# Altium PCB zynqCoreboard_PCB.PcbDoc
Units mm, origin at the board's own origin, x right, y up, seen from the top; angles counter-clockwise.
Board outline 60 x 45 mm, 2 copper layers (Top Layer, Bottom Layer), stack 0.325 mm thick; 320 components, 301 nets, 1528 pads, 0 vias.
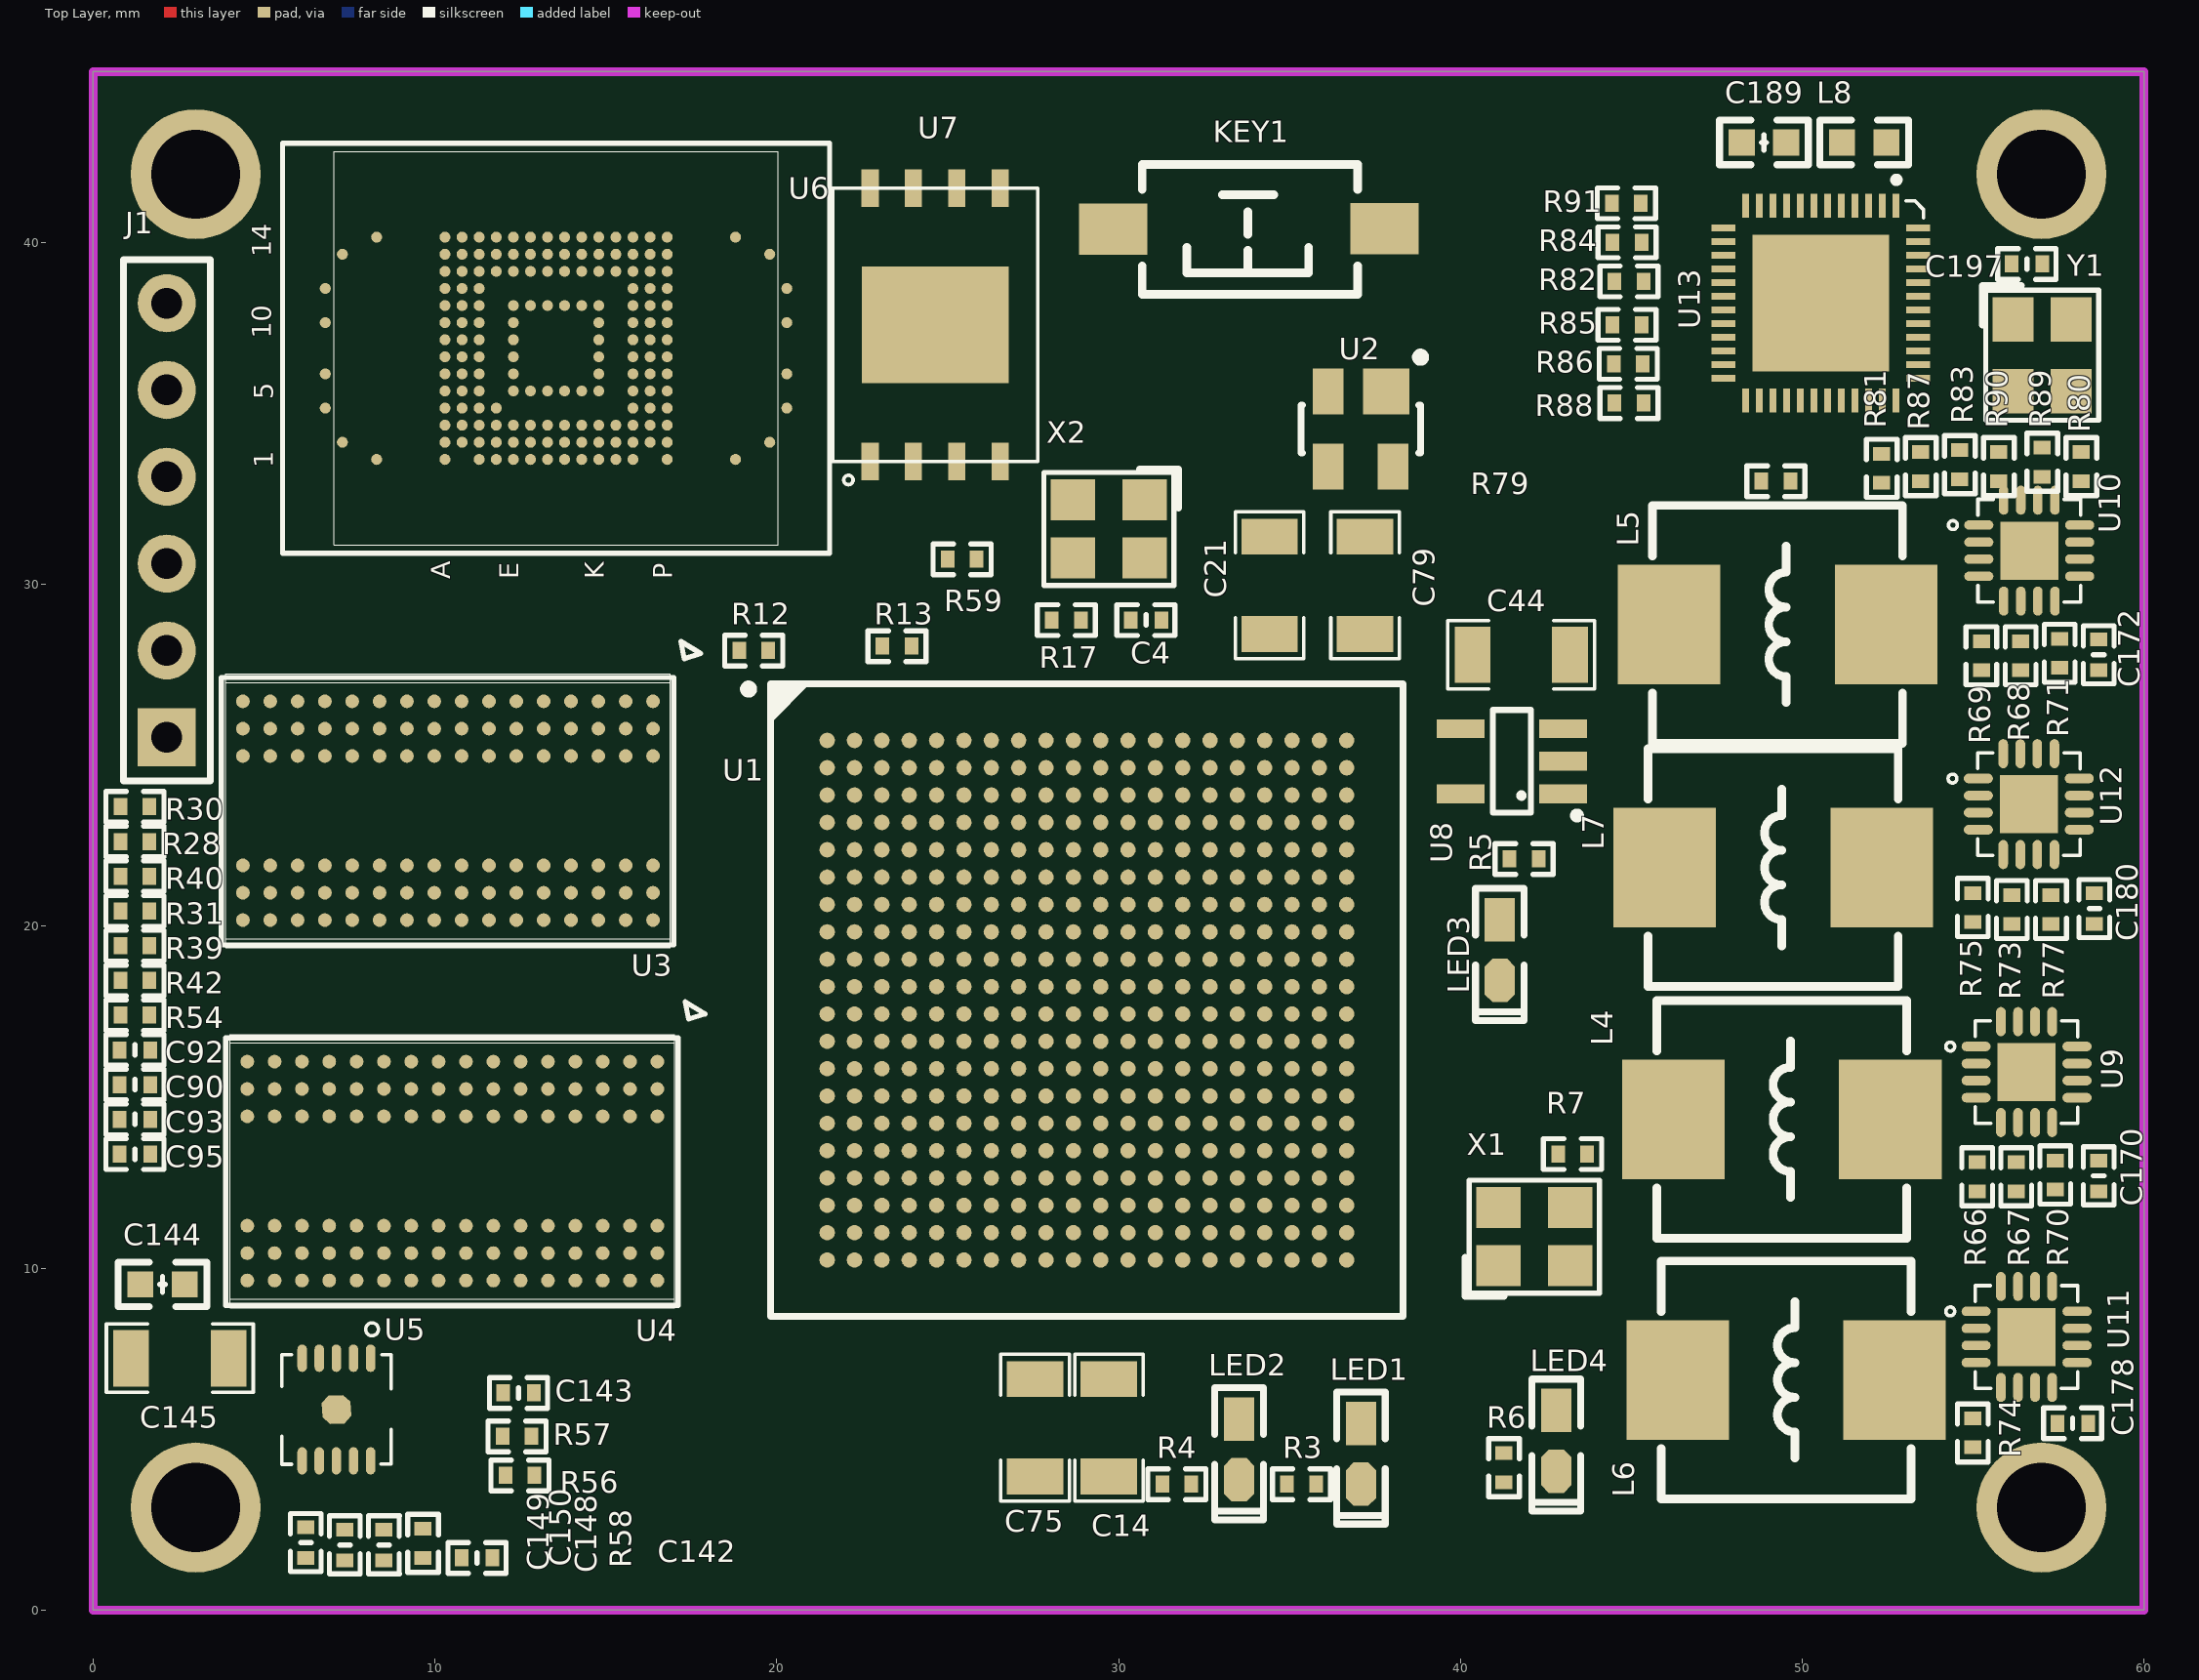
[diagram p0: Top Layer view]
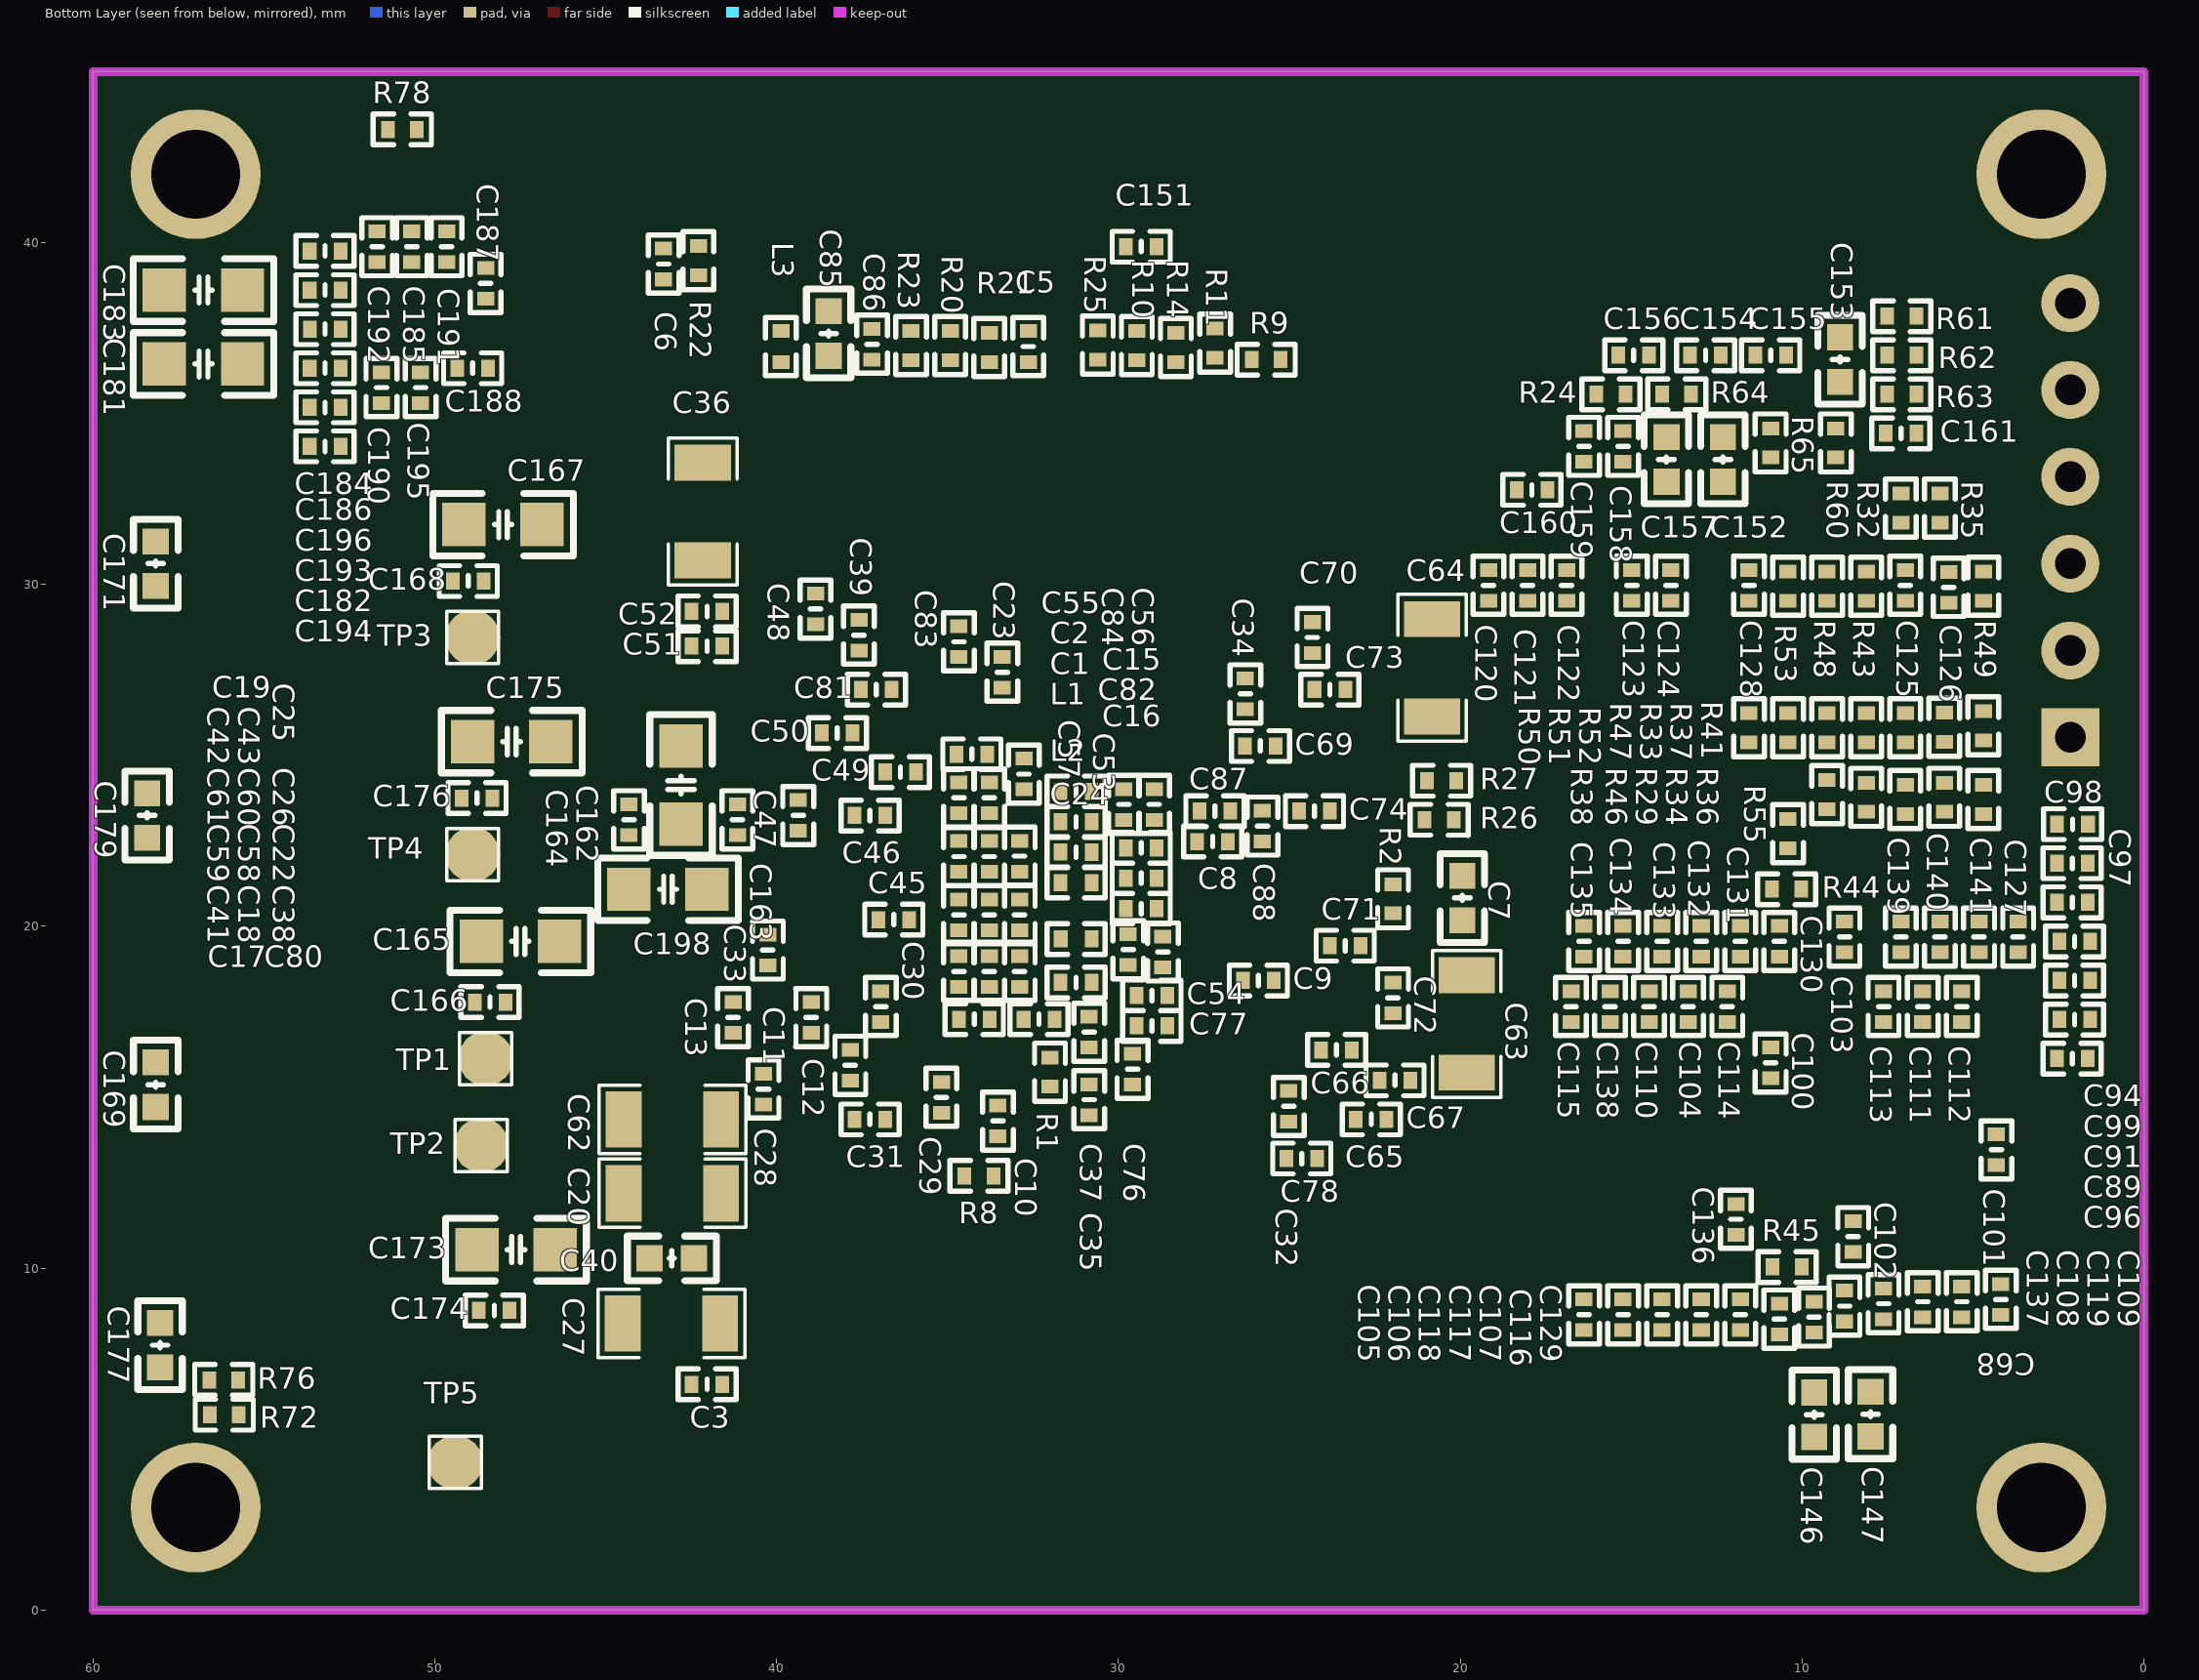
[diagram p1: Bottom Layer view, seen from below]

## Layer stack, top to bottom
Top Solder: solder mask 0.0102, Solder Resist, Dk 3.5
Top Layer: signal copper 0.0356
Dielectric 1: core 0.254, FR-4, Dk 4.2
Bottom Layer: signal copper 0.0356
Solder Side: solder mask 0.0102, Solder Resist, Dk 3.5

## Board outline
0,0 60,0 60,45 0,45

## Design rules (kind name [scope] priority, off if disabled: settings)
Clearance [All] p1: gap=0.102 ignorepadtopadclearanceinfootprint=FALSE except(0: Arc-Hole Track-Hole SMDPad-Hole THPad-Hole Via-Hole Fill-Hole Poly-Hole Region-Hole Text-Hole; 0.254: Text-Text)
PlaneConnect [All] p1: planeconnectstyle=Direct reliefexpansion=0.508 reliefentries=4 reliefconductorwidth=0.254 reliefairgap=0.254
PolygonConnect [All] p1: connectstyle=Direct reliefconductorwidth=0.254 reliefentries=4 polygonreliefangle="90 Angle" airgapwidth=0.254
RoutingVias [All] p1: holewidth=0.711 width=1.27 viastyle="Through Hole" minholewidth=0.711 minwidth=1.27 maxholewidth=0.711 maxwidth=1.27
SolderMaskExpansion [All] p1: expansion=0.102
Width [All] p1: maxlimit=0.254 minlimit=0.254 preferedwidth=0.254
29 further rules are at their usual default settings.

## Classes and differential pairs
component class ZynqCoreBoard2: C89 C90 C91 C92 C93 C94 C95 C96 C97 C98 C99 C100 C101 C102 C103 C104 C105 C106 C107 C108 C109 C110 C111 C112 C113 C114 C115 C116 C117 C118 C119 C120 C121 C122 C123 C124 C125 C126 C127 C128 C129 C130 C131 C132 C133 C134 C135 C136 C137 C138 C139 C140 C141 C142 C143 C144 C145 C146 C147 C148 C149 C150 C151 C152 C153 C154 C155 C156 C157 C158 C159 C160 C161 C162 C163 C164 C165 C166 C167 C168 C169 C170 C171 C172 C173 C174 C175 C176 C177 C178 C179 C180 C181 C182 C183 C184 C185 C186 C187 C188 C189 C190 C191 C192 C193 C194 C195 C196 C197 C198 L4 L5 L6 L7 L8 R28 R29 R30 R31 R32 R33 R34 R35 R36 R37 R38 R39 R40 R41 R42 R43 R44 R45 R46 R47 R48 R49 R50 R51 R52 R53 R54 R55 R56 R57 R58 R59 R60 R61 R62 R63 R64 R65 R66 R67 R68 R69 R70 R71 R72 R73 R74 R75 R76 R77 R78 R79 R80 R81 R82 R83 R84 R85 R86 R87 R88 R89 R90 R91 TP1 TP2 TP3 TP4 TP5 U3 U4 U5 U6 U7 U8 U9 U10 U11 U12 U13 Y1
component class ZynqCoreBoard1: C1 C2 C3 C4 C5 C6 C7 C8 C9 C10 C11 C12 C13 C14 C15 C16 C17 C18 C19 C20 C21 C22 C23 C24 C25 C26 C27 C28 C29 C30 C31 C32 C33 C34 C35 C36 C37 C38 C39 C40 C41 C42 C43 C44 C45 C46 C47 C48 C49 C50 C51 C52 C53 C54 C55 C56 C57 C58 C59 C60 C61 C62 C63 C64 C65 C66 C67 C68 C69 C70 C71 C72 C73 C74 C75 C76 C77 C78 C79 C80 C81 C82 C83 C84 C85 C86 C87 C88 J1 KEY1 L1 L2 L3 LED1 LED2 LED3 LED4 R1 R2 R3 R4 R5 R6 R7 R8 R9 R10 R11 R12 R13 R14 R17 R20 R21 R22 R23 R24 R25 R26 R27 U1 U2 X1 X2

## Components (designator, comment, footprint, x,y, rotation, side; value= is the part's Value field where it differs from the comment)
C1 "470nF" C0402 31.242,22.167 r180 bottom
C2 "0.1uF" C0402 31.242,23.056 r180 bottom
C3 "0.1uF" C0402 42.037,6.604 r180 bottom
C4 "0.1uF" C0402 30.803,28.956 r0 top
C5 "0.01uF" C0402 32.639,36.957 r270 bottom
C6 "0.1uF" C0402 43.307,39.37 r90 bottom
C7 "47uF" C0603 19.939,20.828 r270 bottom
C8 "4.7uF" C0402 27.247,22.479 r180 bottom
C9 "4.7uF" C0402 25.908,18.415 r180 bottom
C10 "470nF" C0402 33.528,14.304 r270 bottom
C11 "470nF" C0402 38.989,17.33 r270 bottom
C12 "470nF" C0402 37.846,15.933 r90 bottom
C13 "470nF" C0402 41.275,17.33 r90 bottom
C14 "100uF" C1206 29.718,5.334 r270 top
C15 "470nF" C0402 29.337,22.294 r180 bottom
C16 "470nF" C0402 29.337,20.516 r180 bottom
C17 "470nF" C0402 34.221,17.283 r0 bottom
C18 "4.7uF" C0402 33.782,18.68 r90 bottom
C19 "4.7uF" C0402 34.29,25.03 r180 bottom
C20 "100uF" C1206 43.053,12.192 r180 bottom
C21 "100uF" C1206 34.417,29.972 r90 top
C22 "4.7uF" C0402 32.893,20.331 r90 bottom
C23 "4.7uF" C0402 33.401,27.432 r90 bottom
C24 "470nF" C0402 31.242,18.357 r180 bottom
C25 "470nF" C0402 32.766,24.453 r90 bottom
C26 "470nF" C0402 32.893,22.051 r90 bottom
C27 "100uF" C1206 43.081,8.382 r180 bottom
C28 "4.7uF" C0402 40.386,15.24 r270 bottom
C29 "4.7uF" C0402 35.179,14.997 r270 bottom
C30 "4.7uF" C0402 36.957,17.653 r270 bottom
C31 "470nF" C0402 37.269,14.351 r0 bottom
C32 "470nF" C0402 25.019,14.732 r270 bottom
C33 "470nF" C0402 40.259,19.304 r90 bottom
C34 "470nF" C0402 26.289,26.797 r90 bottom
C35 "470nF" C0402 30.861,14.928 r90 bottom
C36 "100uF" C1206 42.164,32.131 r90 bottom
C37 "4.7uF" C0402 30.861,16.902 r90 bottom
C38 "470nF" C0402 32.893,18.68 r90 bottom
C39 "470nF" C0402 37.592,28.517 r270 bottom
C40 "100uF" C0603 43.068,10.287 r180 bottom
C41 "4.7uF" C0402 34.671,18.68 r90 bottom
C42 "470nF" C0402 34.671,23.76 r90 bottom
C43 "470nF" C0402 33.782,23.76 r90 bottom
C44 "100uF" C1206 41.783,27.94 r0 top
C45 "4.7uF" C0402 36.576,20.193 r0 bottom
C46 "4.7uF" C0402 37.269,23.241 r0 bottom
C47 "4.7uF" C0402 39.37,23.241 r270 bottom
C48 "470nF" C0402 38.862,29.279 r90 bottom
C49 "470nF" C0402 36.38,24.511 r180 bottom
C50 "470nF" C0402 38.227,25.654 r180 bottom
C51 "470nF" C0402 42.037,28.194 r0 bottom
C52 "470nF" C0402 42.037,29.21 r0 bottom
C53 "470nF" C0402 28.702,19.246 r90 bottom
C54 "470nF" C0402 29.025,17.976 r180 bottom
C55 "470nF" C0402 31.242,23.945 r180 bottom
C56 "470nF" C0402 28.956,23.564 r270 bottom
C57 "470nF" C0402 29.718,19.315 r90 bottom
C58 "4.7uF" C0402 33.782,20.331 r90 bottom
C59 "4.7uF" C0402 34.671,20.331 r90 bottom
C60 "4.7uF" C0402 33.782,22.04 r90 bottom
C61 "4.7uF" C0402 34.671,22.04 r90 bottom
C62 "100uF" C1206 43.053,14.351 r0 bottom
C63 "100uF" C1206 19.812,17.145 r90 bottom
C64 "100uF" C1206 20.828,27.559 r90 bottom
C65 "4.7uF" C0402 22.606,14.351 r180 bottom
C66 "4.7uF" C0402 23.622,16.383 r180 bottom
C67 "4.7uF" C0402 21.913,15.494 r180 bottom
C68 "470nF" C0402 8.763,8.89 r90 bottom
C69 "470nF" C0402 25.85,25.273 r180 bottom
C70 "470nF" C0402 24.326,28.448 r270 bottom
C71 "470nF" C0402 23.368,19.431 r180 bottom
C72 "470nF" C0402 21.971,17.907 r90 bottom
C73 "470nF" C0402 23.818,26.924 r0 bottom
C74 "470nF" C0402 24.268,23.368 r0 bottom
C75 "100uF" C1206 27.559,5.334 r270 top
C76 "4.7uF" C0402 29.591,15.817 r270 bottom
C77 "470nF" C0402 29.025,17.087 r180 bottom
C78 "470nF" C0402 24.638,13.208 r0 bottom
C79 "100uF" C1206 37.211,29.972 r90 top
C80 "4.7uF" C0402 32.327,17.283 r180 bottom
C81 "4.7uF" C0402 37.084,26.924 r180 bottom
C82 "470nF" C0402 29.337,21.405 r180 bottom
C83 "470nF" C0402 34.671,28.321 r270 bottom
C84 "470nF" C0402 29.845,23.564 r270 bottom
C85 "10uF" C0603 38.481,37.338 r90 bottom
C86 "470nF" C0402 37.211,37.026 r90 bottom
C87 "0.01uF" C0402 27.178,23.368 r180 bottom
C88 "0.1uF" C0402 25.792,22.929 r90 bottom
C89 "4.7uF" C0402 2.032,17.272 r180 bottom
C90 "4.7uF" C0402 1.227,15.367 r180 top
C91 "4.7uF" C0402 2.032,18.415 r180 bottom
C92 "0.1uF" C0402 1.227,16.383 r180 top
C93 "0.1uF" C0402 1.227,14.351 r180 top
C94 "0.1uF" C0402 2.101,20.701 r180 bottom
C95 "0.1uF" C0402 1.227,13.335 r180 top
C96 "0.1uF" C0402 2.101,16.129 r180 bottom
C97 "0.1uF" C0402 2.101,21.844 r180 bottom
C98 "0.1uF" C0402 2.09,22.987 r180 bottom
C99 "0.1uF" C0402 2.032,19.558 r180 bottom
C100 "10nF" C0402 10.922,16.002 r270 bottom
C101 "10nF" C0402 4.318,13.462 r270 bottom
C102 "10nF" C0402 8.509,10.922 r90 bottom
C103 "10nF" C0402 8.763,19.685 r90 bottom
C104 "47nF" C0402 13.335,17.653 r90 bottom
C105 "47nF" C0402 16.383,8.636 r270 bottom
C106 "47nF" C0402 15.24,8.636 r270 bottom
C107 "47nF" C0402 11.811,8.636 r270 bottom
C108 "47nF" C0402 6.477,9.017 r90 bottom
C109 "47nF" C0402 4.191,9.086 r90 bottom
C110 "47nF" C0402 14.478,17.653 r90 bottom
C111 "47nF" C0402 6.477,17.653 r90 bottom
C112 "47nF" C0402 5.334,17.653 r90 bottom
C113 "47nF" C0402 7.62,17.653 r90 bottom
C114 "47nF" C0402 12.192,17.653 r90 bottom
C115 "47nF" C0402 16.764,17.653 r90 bottom
C116 "47nF" C0402 10.668,8.509 r90 bottom
C117 "47nF" C0402 12.954,8.636 r270 bottom
C118 "47nF" C0402 14.097,8.636 r270 bottom
C119 "47nF" C0402 5.334,9.017 r90 bottom
C120 "47nF" C0402 19.177,29.972 r270 bottom
C121 "47nF" C0402 18.034,29.972 r270 bottom
C122 "47nF" C0402 16.891,29.972 r270 bottom
C123 "47nF" C0402 14.986,29.972 r270 bottom
C124 "47nF" C0402 13.843,29.972 r270 bottom
C125 "47nF" C0402 6.985,29.972 r270 bottom
C126 "47nF" C0402 5.715,29.914 r270 bottom
C127 "47nF" C0402 3.683,19.685 r270 bottom
C128 "47nF" C0402 11.557,29.972 r270 bottom
C129 "47nF" C0402 9.652,8.567 r90 bottom
C130 "47nF" C0402 10.668,19.558 r270 bottom
C131 "47nF" C0402 11.811,19.558 r270 bottom
C132 "47nF" C0402 12.954,19.558 r270 bottom
C133 "47nF" C0402 14.097,19.558 r270 bottom
C134 "47nF" C0402 15.24,19.558 r270 bottom
C135 "47nF" C0402 16.383,19.558 r270 bottom
C136 "4.7uF" C0402 11.938,11.43 r90 bottom
C137 "470nF" C0402 7.62,8.959 r90 bottom
C138 "470nF" C0402 15.621,17.653 r90 bottom
C139 "4.7uF" C0402 7.112,19.685 r90 bottom
C140 "470nF" C0402 5.969,19.685 r90 bottom
C141 "470nF" C0402 4.826,19.685 r90 bottom
C142 "4.7uF" C0402 11.234,1.524 r180 top
C143 "0.01uF" C0402 12.446,6.35 r180 top
C144 "10uF" C0603 2.032,9.525 r0 top
C145 "100uF" C1206 2.54,7.366 r0 top
C146 "10uF" C0603 9.652,5.715 r90 bottom
C147 "10uF" C0603 8.001,5.73 r90 bottom
C148 "4.7uF" C0402 8.509,1.905 r90 top
C149 "0.1uF" C0402 6.223,1.974 r90 top
C150 "4.7uF" C0402 7.366,1.905 r90 top
C151 "0.1uF" C0402 29.337,39.878 r180 bottom
C152 "10uF" C0603 12.319,33.655 r90 bottom
C153 "10uF" C0603 8.89,36.576 r90 bottom
C154 "0.1uF" C0402 12.827,36.703 r180 bottom
C155 "0.1uF" C0402 10.922,36.703 r180 bottom
C156 "0.1uF" C0402 14.928,36.703 r180 bottom
C157 "10uF" C0603 13.97,33.655 r90 bottom
C158 "0.1uF" C0402 15.24,34.036 r90 bottom
C159 "0.1uF" C0402 16.383,34.036 r90 bottom
C160 "0.1uF" C0402 17.907,32.766 r0 bottom
C161 "1uF" C0402 7.112,34.417 r0 bottom
C162 "10uF" C0805 42.799,24.13 r90 bottom
C163 "0.1uF" C0402 41.148,23.114 r90 bottom
C164 "0.1uF" C0402 44.323,23.114 r270 bottom
C165 "22uF" C0805 47.498,19.558 r180 bottom
C166 "0.1uF" C0402 48.387,17.78 r180 bottom
C167 "22uF" C0805 48.006,31.75 r180 bottom
C168 "0.1uF" C0402 49.022,30.099 r180 bottom
C169 "10uF" C0603 58.166,15.367 r90 bottom
C170 "3.3nF" C0402 58.674,12.7 r270 top
C171 "10uF" C0603 58.166,30.607 r90 bottom
C172 "3.3nF" C0402 58.674,27.94 r90 top
C173 "22uF" C0805 47.625,10.541 r0 bottom
C174 "0.1uF" C0402 48.26,8.763 r0 bottom
C175 "22uF" C0805 47.752,25.4 r0 bottom
C176 "0.1uF" C0402 48.768,23.749 r0 bottom
C177 "10uF" C0603 58.039,7.747 r90 bottom
C178 "3.3nF" C0402 57.912,5.461 r0 top
C179 "10uF" C0603 58.42,23.241 r90 bottom
C180 "3.3nF" C0402 58.547,20.516 r90 top
C181 "22uF" C0805 56.769,36.449 r180 bottom
C182 "0.1uF" C0402 53.213,35.179 r180 bottom
C183 "22uF" C0805 56.769,38.608 r180 bottom
C184 "0.1uF" C0402 53.213,39.751 r180 bottom
C185 "0.1uF" C0402 50.673,39.878 r270 bottom
C186 "0.1uF" C0402 53.213,38.608 r180 bottom
C187 "0.1uF" C0402 48.514,38.804 r270 bottom
C188 "0.1uF" C0402 48.895,36.322 r180 bottom
C189 "22uF" C0603 48.88,42.926 r180 top
C190 "0.1uF" C0402 51.562,35.756 r270 bottom
C191 "0.1uF" C0402 49.657,39.878 r270 bottom
C192 "0.1uF" C0402 51.689,39.878 r270 bottom
C193 "0.1uF" C0402 53.213,36.322 r180 bottom
C194 "0.1uF" C0402 53.213,34.036 r180 bottom
C195 "0.1uF" C0402 50.419,35.756 r270 bottom
C196 "18pF" C0402 53.213,37.465 r0 bottom
C197 "18pF" C0402 56.573,39.37 r0 top
C198 "10uF" C0805 43.18,21.082 r0 bottom
J1 "CON6" HDR2.54-LI-6P 2.159,31.877 r90 top
KEY1 "Button" "TSW SMD-3*6*2.5" 33.782,40.386 r180 top
L1 "120OHM@100MHz" L0402 31.242,21.278 r0 bottom
L2 "120OHM@100MHz" L0402 31.242,19.627 r180 bottom
L3 "120OHM@100MHz" L0402 39.878,36.957 r270 bottom
L4 "2.2uH 5000mA" L-SMD-0630 49.403,14.351 r180 top
L5 "2.2uH 5000mA" L-SMD-0630 49.276,28.829 r180 top
L6 "2.2uH 5000mA" L-SMD-0630 49.53,6.731 r180 top
L7 "2.2uH 5000mA" L-SMD-0630 49.149,21.717 r180 top
L8 "2.2uH 5000mA" L0603 51.816,42.926 r0 top
LED1 "LED" "LED 0603G" 37.084,4.572 r270 top
LED2 "LED" "LED 0603G" 33.521,4.699 r270 top
LED3 "LED" "LED 0603G" 41.148,19.304 r270 top
LED4 "LED" "LED 0603G" 42.799,4.953 r270 top
R1 "4.7k" R0402 32.004,15.759 r270 bottom
R2 "4.7k" R0402 21.971,20.828 r270 bottom
R3 "330" R0402 35.375,3.683 r180 top
R4 "330" R0402 31.731,3.683 r180 top
R5 "220" R0402 41.891,21.971 r180 top
R6 "330" R0402 41.275,4.191 r270 top
R7 "33R" R0402 43.307,13.335 r180 top
R8 "1k" R0402 34.105,12.7 r180 bottom
R9 "20k" R0402 25.654,36.576 r0 bottom
R10 "20k" R0402 29.464,36.957 r90 bottom
R11 "20k" R0402 27.178,37.084 r270 bottom
R12 "20k" R0402 19.304,28.067 r0 top
R13 "33R" R0402 23.495,28.194 r0 top
R14 "20k" R0402 28.321,36.957 r270 bottom
R17 "33R" R0402 28.448,28.956 r0 top
R20 "1k 1%" R0402 34.925,36.957 r90 bottom
R21 "1k 1%" R0402 33.782,36.957 r270 bottom
R22 "33R" R0402 42.291,39.497 r270 bottom
R23 "40.2 1%" R0402 36.068,36.957 r90 bottom
R24 "40.2 1%" R0402 15.621,35.56 r180 bottom
R25 "10k" R0402 30.607,36.976 r90 bottom
R26 "80.6R 1%" R0402 20.643,23.114 r180 bottom
R27 "80.6R 1%" R0402 20.574,24.257 r180 bottom
R28 "40.2 1%" R0402 1.201,22.479 r0 top
R29 "40.2 1%" R0402 6.985,23.68 r90 bottom
R30 "40.2 1%" R0402 1.201,23.495 r0 top
R31 "40.2 1%" R0402 1.201,20.447 r0 top
R32 "40.2 1%" R0402 7.112,32.258 r270 bottom
R33 "40.2 1%" R0402 6.985,25.781 r90 bottom
R34 "40.2 1%" R0402 5.842,23.749 r90 bottom
R35 "40.2 1%" R0402 5.969,32.258 r270 bottom
R36 "40.2 1%" R0402 4.699,23.68 r90 bottom
R37 "40.2 1%" R0402 5.842,25.8 r90 bottom
R38 "40.2 1%" R0402 9.271,23.876 r270 bottom
R39 "40.2 1%" R0402 1.201,19.431 r0 top
R40 "40.2 1%" R0402 1.201,21.463 r0 top
R41 "40.2 1%" R0402 4.699,25.839 r90 bottom
R42 "40.2 1%" R0402 1.201,18.415 r0 top
R43 "40.2 1%" R0402 8.128,29.972 r270 bottom
R44 "240 1%" R0402 10.433,21.082 r0 bottom
R45 "240 1%" R0402 10.414,10.033 r0 bottom
R46 "40.2 1%" R0402 8.128,23.749 r90 bottom
R47 "40.2 1%" R0402 8.128,25.781 r90 bottom
R48 "40.2 1%" R0402 9.271,29.972 r270 bottom
R49 "4.7k" R0402 4.699,29.972 r270 bottom
R50 "40.2 1%" R0402 11.557,25.781 r90 bottom
R51 "40.2 1%" R0402 10.414,25.781 r90 bottom
R52 "40.2 1%" R0402 9.271,25.781 r90 bottom
R53 "40.2 1%" R0402 10.414,29.972 r270 bottom
R54 "40.2 1%" R0402 1.201,17.399 r0 top
R55 "80.6 1%" R0402 10.414,22.733 r270 bottom
R56 "10K 1%" R0402 12.515,3.937 r180 top
R57 "10K 1%" R0402 12.377,5.08 r0 top
R58 "10K" R0402 9.652,1.974 r270 top
R59 "470R" R0402 25.4,30.734 r0 top
R60 "10k" R0402 9.017,34.163 r270 bottom
R61 "10k" R0402 7.112,37.846 r180 bottom
R62 "10k" R0402 7.112,36.703 r180 bottom
R63 "10k" R0402 7.112,35.56 r180 bottom
R64 "10k" R0402 13.697,35.56 r180 bottom
R65 "10k" R0402 10.922,34.163 r270 bottom
R66 "10k" R0402 55.118,12.7 r270 top
R67 "4.99k" R0402 56.261,12.7 r270 top
R68 "18.7k" R0402 56.388,27.94 r270 top
R69 "10k" R0402 55.245,27.94 r270 top
R70 "20k" R0402 57.404,12.7 r90 top
R71 "15k" R0402 57.531,27.959 r90 top
R72 "13k" R0402 56.134,5.715 r0 bottom
R73 "562k" R0402 56.134,20.516 r270 top
R74 "10k" R0402 54.991,5.207 r270 top
R75 "10k" R0402 54.991,20.574 r270 top
R76 "15k" R0402 56.203,6.731 r180 bottom
R77 "18k" R0402 57.277,20.516 r270 top
R78 "0R" R0402 50.927,43.307 r0 bottom
R79 "1.5k" R0402 49.207,33.02 r0 top
R80 "2.49k" R0402 58.166,33.42 r90 top
R81 "4.7k" R0402 52.324,33.42 r270 top
R82 "4.7k" R0402 44.958,38.862 r180 top
R83 "4.7k" R0402 54.61,33.528 r270 top
R84 "4.7k" R0402 44.9,40.005 r180 top
R85 "4.7k" R0402 44.9,37.592 r180 top
R86 "4.7k" R0402 44.939,36.449 r180 top
R87 "4.7k" R0402 53.467,33.42 r90 top
R88 "4.7k" R0402 44.958,35.306 r180 top
R89 "0R" R0402 57.023,33.547 r90 top
R90 "4.7k" R0402 55.753,33.42 r90 top
R91 "4.7k" R0402 44.831,41.148 r0 top
TP1 "TESTPOINT" FPAD_1 48.514,16.129 r180 bottom
TP2 "TESTPOINT" FPAD_1 48.641,13.589 r180 bottom
TP3 "TESTPOINT" FPAD_1 48.895,28.448 r180 bottom
TP4 "TESTPOINT" FPAD_1 48.895,22.098 r180 bottom
TP5 "TESTPOINT" FPAD_1 49.403,4.318 r180 bottom
U1 "Zynq7010" ZYNQ7020CL400 29.077,17.837 r0 top locked
U2 "TCM811TERCTR" SOT143 37.084,34.544 r180 top
U3 "NT5CB128M16IP-DI" FBGA_96 10.384,23.393 r270 top
U4 "NT5CB128M16IP-DI" FBGA_96 10.511,12.852 r270 top
U5 "TPS51200DRCR" TPS_QFN10 7.12,5.875 r270 top
U6 "KLM8G1GETF" VFBGA 13.546,36.906 r90 top locked
U7 "W25Q256FV" W25Q256FV 24.638,37.592 r90 top
U8 "SPX3819M5-3-3" SOT23-5 41.505,24.826 r90 top
U9 "TLV62130RGT" QFN16_3X3 56.576,15.735 r270 top
U10 "TLV62130RGT" QFN16_3X3 56.655,30.988 r270 top
U11 "TLV62130RGT" QFN16_3X3 56.576,7.988 r270 top

## Text inside footprints (layer, text, board x,y; h text height)
U6: Mechanical 10 "B3" at 10.795,34.209 h0.56 r90; Mechanical 10 "B4" at 10.795,34.709 h0.56 r90; Mechanical 10 "B5" at 10.795,35.209 h0.56 r90; Mechanical 10 "B6" at 10.795,35.71 h0.56 r90; Mechanical 10 "4" at 6.794,35.903 h0.64 r90; Mechanical 10 "1" at 8.296,33.401 h0.64 r90; Mechanical 10 "11" at 20.297,34.648 h0.64 r90; Mechanical 10 "12" at 20.297,35.649 h0.64 r90; Mechanical 10 "13" at 20.297,37.148 h0.64 r90; Mechanical 10 "14" at 20.297,38.148 h0.64 r90; Mechanical 10 "15" at 19.797,39.149 h0.64 r90; Mechanical 10 "16" at 18.796,39.649 h0.64 r90; Mechanical 10 "2" at 7.295,33.901 h0.64 r90; Mechanical 10 "3" at 6.794,34.902 h0.64 r90; Mechanical 10 "5" at 6.794,37.401 h0.64 r90; Mechanical 10 "6" at 6.794,38.402 h0.64 r90; Mechanical 10 "7" at 7.295,39.403 h0.64 r90; Mechanical 10 "8" at 8.296,39.903 h0.64 r90; Mechanical 10 "9" at 18.796,33.401 h0.64 r90; Mechanical 10 "10" at 19.797,33.647 h0.64 r90; Mechanical 10 "A6" at 10.295,35.71 h0.56 r90; Mechanical 10 "G10" at 13.297,37.485 h0.56 r90; Mechanical 10 "H5" at 13.795,35.209 h0.56 r90; Mechanical 10 "J5" at 14.295,35.209 h0.56 r90; Mechanical 10 "K6" at 14.795,35.71 h0.56 r90; Mechanical 10 "K7" at 14.795,36.21 h0.56 r90; Mechanical 10 "K10" at 14.795,37.485 h0.56 r90; Mechanical 10 "P7" at 16.797,36.21 h0.56 r90; Mechanical 10 "P10" at 16.518,37.211 h0.56 r90; Mechanical 10 "A7" at 10.295,36.21 h0.56 r90; Mechanical 10 "C5" at 11.295,35.209 h0.56 r90; Mechanical 10 "E5" at 12.296,35.209 h0.56 r90; Mechanical 10 "E8" at 12.296,36.708 h0.56 r90; Mechanical 10 "E9" at 12.296,37.208 h0.56 r90; Mechanical 10 "E10" at 12.296,37.485 h0.56 r90; Mechanical 10 "F10" at 12.796,37.485 h0.56 r90; Mechanical 10 "G3" at 13.297,34.209 h0.56 r90; Mechanical 10 "A1" at 10.295,33.208 h0.56 r90; Mechanical 10 "P2" at 16.797,33.708 h0.56 r90; Mechanical 10 "P8" at 16.797,36.708 h0.56 r90; Mechanical 10 "P9" at 16.797,37.208 h0.56 r90; Mechanical 10 "P11" at 16.797,37.986 h0.56 r90; Mechanical 10 "P12" at 16.797,38.486 h0.56 r90; Mechanical 10 "P13" at 16.797,38.986 h0.56 r90; Mechanical 10 "P14" at 16.797,39.487 h0.56 r90; Mechanical 10 "B7" at 10.795,36.21 h0.56 r90; Mechanical 10 "B8" at 10.795,36.708 h0.56 r90; Mechanical 10 "B9" at 10.795,37.208 h0.56 r90; Mechanical 10 "B10" at 10.795,37.485 h0.56 r90; Mechanical 10 "B11" at 10.795,37.986 h0.56 r90; Mechanical 10 "B12" at 10.795,38.486 h0.56 r90; Mechanical 10 "B13" at 10.795,38.986 h0.56 r90; Mechanical 10 "B14" at 10.795,39.487 h0.56 r90; Mechanical 10 "C1" at 11.295,33.208 h0.56 r90; Mechanical 10 "A2" at 10.295,33.708 h0.56 r90; Mechanical 10 "C3" at 11.295,34.209 h0.56 r90; Mechanical 10 "C7" at 11.295,36.21 h0.56 r90; Mechanical 10 "C8" at 11.295,36.708 h0.56 r90; Mechanical 10 "C9" at 11.295,37.208 h0.56 r90; Mechanical 10 "C10" at 11.295,37.485 h0.56 r90; Mechanical 10 "C11" at 11.295,37.986 h0.56 r90; Mechanical 10 "C12" at 11.295,38.486 h0.56 r90; Mechanical 10 "C13" at 11.295,38.986 h0.56 r90; Mechanical 10 "C14" at 11.295,39.487 h0.56 r90; Mechanical 10 "D1" at 11.796,33.208 h0.56 r90; Mechanical 10 "A8" at 10.295,36.708 h0.56 r90; Mechanical 10 "D2" at 11.796,33.708 h0.56 r90; Mechanical 10 "D3" at 11.796,34.209 h0.56 r90; Mechanical 10 "D4" at 11.796,34.709 h0.56 r90; Mechanical 10 "D12" at 11.796,38.486 h0.56 r90; Mechanical 10 "D13" at 11.796,38.986 h0.56 r90; Mechanical 10 "D14" at 11.796,39.487 h0.56 r90; Mechanical 10 "E1" at 12.296,33.208 h0.56 r90; Mechanical 10 "E2" at 12.296,33.708 h0.56 r90; Mechanical 10 "E3" at 12.296,34.209 h0.56 r90; Mechanical 10 "E12" at 12.296,38.486 h0.56 r90; Mechanical 10 "A9" at 10.295,37.208 h0.56 r90; Mechanical 10 "E13" at 12.296,38.986 h0.56 r90; Mechanical 10 "E14" at 12.296,39.487 h0.56 r90; Mechanical 10 "F1" at 12.796,33.208 h0.56 r90; Mechanical 10 "F2" at 12.796,33.708 h0.56 r90; Mechanical 10 "F3" at 12.796,34.209 h0.56 r90; Mechanical 10 "F12" at 12.796,38.486 h0.56 r90; Mechanical 10 "F13" at 12.796,38.986 h0.56 r90; Mechanical 10 "F14" at 12.796,39.487 h0.56 r90; Mechanical 10 "G1" at 13.297,33.208 h0.56 r90; Mechanical 10 "G2" at 13.297,33.708 h0.56 r90; Mechanical 10 "A10" at 10.295,37.485 h0.56 r90; Mechanical 10 "G12" at 13.297,38.486 h0.56 r90; Mechanical 10 "G13" at 13.297,38.986 h0.56 r90; Mechanical 10 "G14" at 13.297,39.487 h0.56 r90; Mechanical 10 "H1" at 13.795,33.208 h0.56 r90; Mechanical 10 "H2" at 13.795,33.708 h0.56 r90; Mechanical 10 "H3" at 13.795,34.209 h0.56 r90; Mechanical 10 "H12" at 13.795,38.486 h0.56 r90; Mechanical 10 "H13" at 13.795,38.986 h0.56 r90; Mechanical 10 "H14" at 13.795,39.487 h0.56 r90; Mechanical 10 "J1" at 14.295,33.208 h0.56 r90; Mechanical 10 "A11" at 10.295,37.986 h0.56 r90; Mechanical 10 "J2" at 14.295,33.708 h0.56 r90; Mechanical 10 "J3" at 14.295,34.209 h0.56 r90; Mechanical 10 "J12" at 14.295,38.486 h0.56 r90; Mechanical 10 "J13" at 14.295,38.986 h0.56 r90; Mechanical 10 "J14" at 14.295,39.487 h0.56 r90; Mechanical 10 "K1" at 14.795,33.208 h0.56 r90; Mechanical 10 "K2" at 14.795,33.708 h0.56 r90; Mechanical 10 "K3" at 14.795,34.209 h0.56 r90; Mechanical 10 "K12" at 14.795,38.486 h0.56 r90; Mechanical 10 "K13" at 14.795,38.986 h0.56 r90; Mechanical 10 "A12" at 10.295,38.486 h0.56 r90; Mechanical 10 "K14" at 14.795,39.487 h0.56 r90; Mechanical 10 "L1" at 15.296,33.208 h0.56 r90; Mechanical 10 "L2" at 15.296,33.708 h0.56 r90; Mechanical 10 "L3" at 15.296,34.209 h0.56 r90; Mechanical 10 "L12" at 15.296,38.486 h0.56 r90; Mechanical 10 "L13" at 15.296,38.986 h0.56 r90; Mechanical 10 "L14" at 15.296,39.487 h0.56 r90; Mechanical 10 "M1" at 15.796,33.208 h0.56 r90; Mechanical 10 "M2" at 15.796,33.708 h0.56 r90; Mechanical 10 "M3" at 15.796,34.209 h0.56 r90; Mechanical 10 "A13" at 10.295,38.986 h0.56 r90; Mechanical 10 "M7" at 15.796,36.21 h0.56 r90; Mechanical 10 "M8" at 15.796,36.708 h0.56 r90; Mechanical 10 "M9" at 15.796,37.208 h0.56 r90; Mechanical 10 "M10" at 15.796,37.485 h0.56 r90; Mechanical 10 "M11" at 15.796,37.986 h0.56 r90; Mechanical 10 "M12" at 15.796,38.486 h0.56 r90; Mechanical 10 "M13" at 15.796,38.986 h0.56 r90; Mechanical 10 "M14" at 15.796,39.487 h0.56 r90; Mechanical 10 "N3" at 16.297,34.209 h0.56 r90; Mechanical 10 "A14" at 10.295,39.487 h0.56 r90; Mechanical 10 "N6" at 16.297,35.71 h0.56 r90; Mechanical 10 "N7" at 16.297,36.21 h0.56 r90; Mechanical 10 "N8" at 16.297,36.708 h0.56 r90; Mechanical 10 "N9" at 16.297,37.208 h0.56 r90; Mechanical 10 "N10" at 16.297,37.485 h0.56 r90; Mechanical 10 "N11" at 16.297,37.986 h0.56 r90; Mechanical 10 "N12" at 16.297,38.486 h0.56 r90; Mechanical 10 "N13" at 16.297,38.986 h0.56 r90; Mechanical 10 "N14" at 16.297,39.487 h0.56 r90; Mechanical 10 "P1" at 16.797,33.208 h0.56 r90; Mechanical 10 "P3" at 16.797,34.209 h0.56 r90; Mechanical 10 "P5" at 16.797,35.209 h0.56 r90; Mechanical 10 "M4" at 15.796,34.709 h0.56 r90; Mechanical 10 "N4" at 16.297,34.709 h0.56 r90; Mechanical 10 "C6" at 11.295,35.71 h0.56 r90; Mechanical 10 "A3" at 10.295,34.209 h0.56 r90; Mechanical 10 "M5" at 15.796,35.209 h0.56 r90; Mechanical 10 "M6" at 15.796,35.71 h0.56 r90; Mechanical 10 "A4" at 10.295,34.709 h0.56 r90; Mechanical 10 "A5" at 10.295,35.209 h0.56 r90; Mechanical 10 "B2" at 10.795,33.708 h0.56 r90; Mechanical 10 "C2" at 11.295,33.708 h0.56 r90; Mechanical 10 "F5" at 12.796,35.209 h0.56 r90; Mechanical 10 "K9" at 14.795,37.208 h0.56 r90; Mechanical 10 "E6" at 12.296,35.71 h0.56 r90; Mechanical 10 "J10" at 14.295,37.485 h0.56 r90; Mechanical 10 "N2" at 16.297,33.708 h0.56 r90; Mechanical 10 "P4" at 16.797,34.709 h0.56 r90; Mechanical 10 "N5" at 16.297,35.209 h0.56 r90; Mechanical 10 "G5" at 13.297,35.209 h0.56 r90; Mechanical 10 "C4" at 11.295,34.709 h0.56 r90; Mechanical 10 "P6" at 16.797,35.71 h0.56 r90; Mechanical 10 "K8" at 14.795,36.708 h0.56 r90; Mechanical 10 "E7" at 12.296,36.21 h0.56 r90; Mechanical 10 "H10" at 13.795,37.485 h0.56 r90; Mechanical 10 "K5" at 14.795,35.209 h0.56 r90; Top Overlay "1" at 5.265,33.406 h0.56 r90; Top Overlay "5" at 5.265,35.413 h0.56 r90; Top Overlay "10" at 5.215,37.196 h0.56 r90; Top Overlay "14" at 5.215,39.583 h0.56 r90; Top Overlay "K" at 14.948,30.155 h0.56 r90; Top Overlay "E" at 12.448,30.155 h0.56 r90; Top Overlay "A" at 10.447,30.155 h0.56 r90; Top Overlay "P" at 16.947,30.155 h0.56 r90
U7: Mechanical 10 "9" at 24.638,37.846 h0.64 r90; Mechanical 10 "6" at 25.273,41.816 h0.56 r90; Mechanical 10 "3" at 25.273,33.815 h0.56 r90; Mechanical 10 "7" at 24.003,41.816 h0.56 r90; Mechanical 10 "8" at 22.733,41.816 h0.56 r90; Mechanical 10 "4" at 26.543,33.815 h0.56 r90; Mechanical 10 "1" at 22.733,33.815 h0.56 r90; Mechanical 10 "2" at 24.003,33.815 h0.56 r90; Mechanical 10 "5" at 26.543,41.816 h0.56 r90